# Altium PCB 400432.PcbDoc (part 5 of 6) (continued)
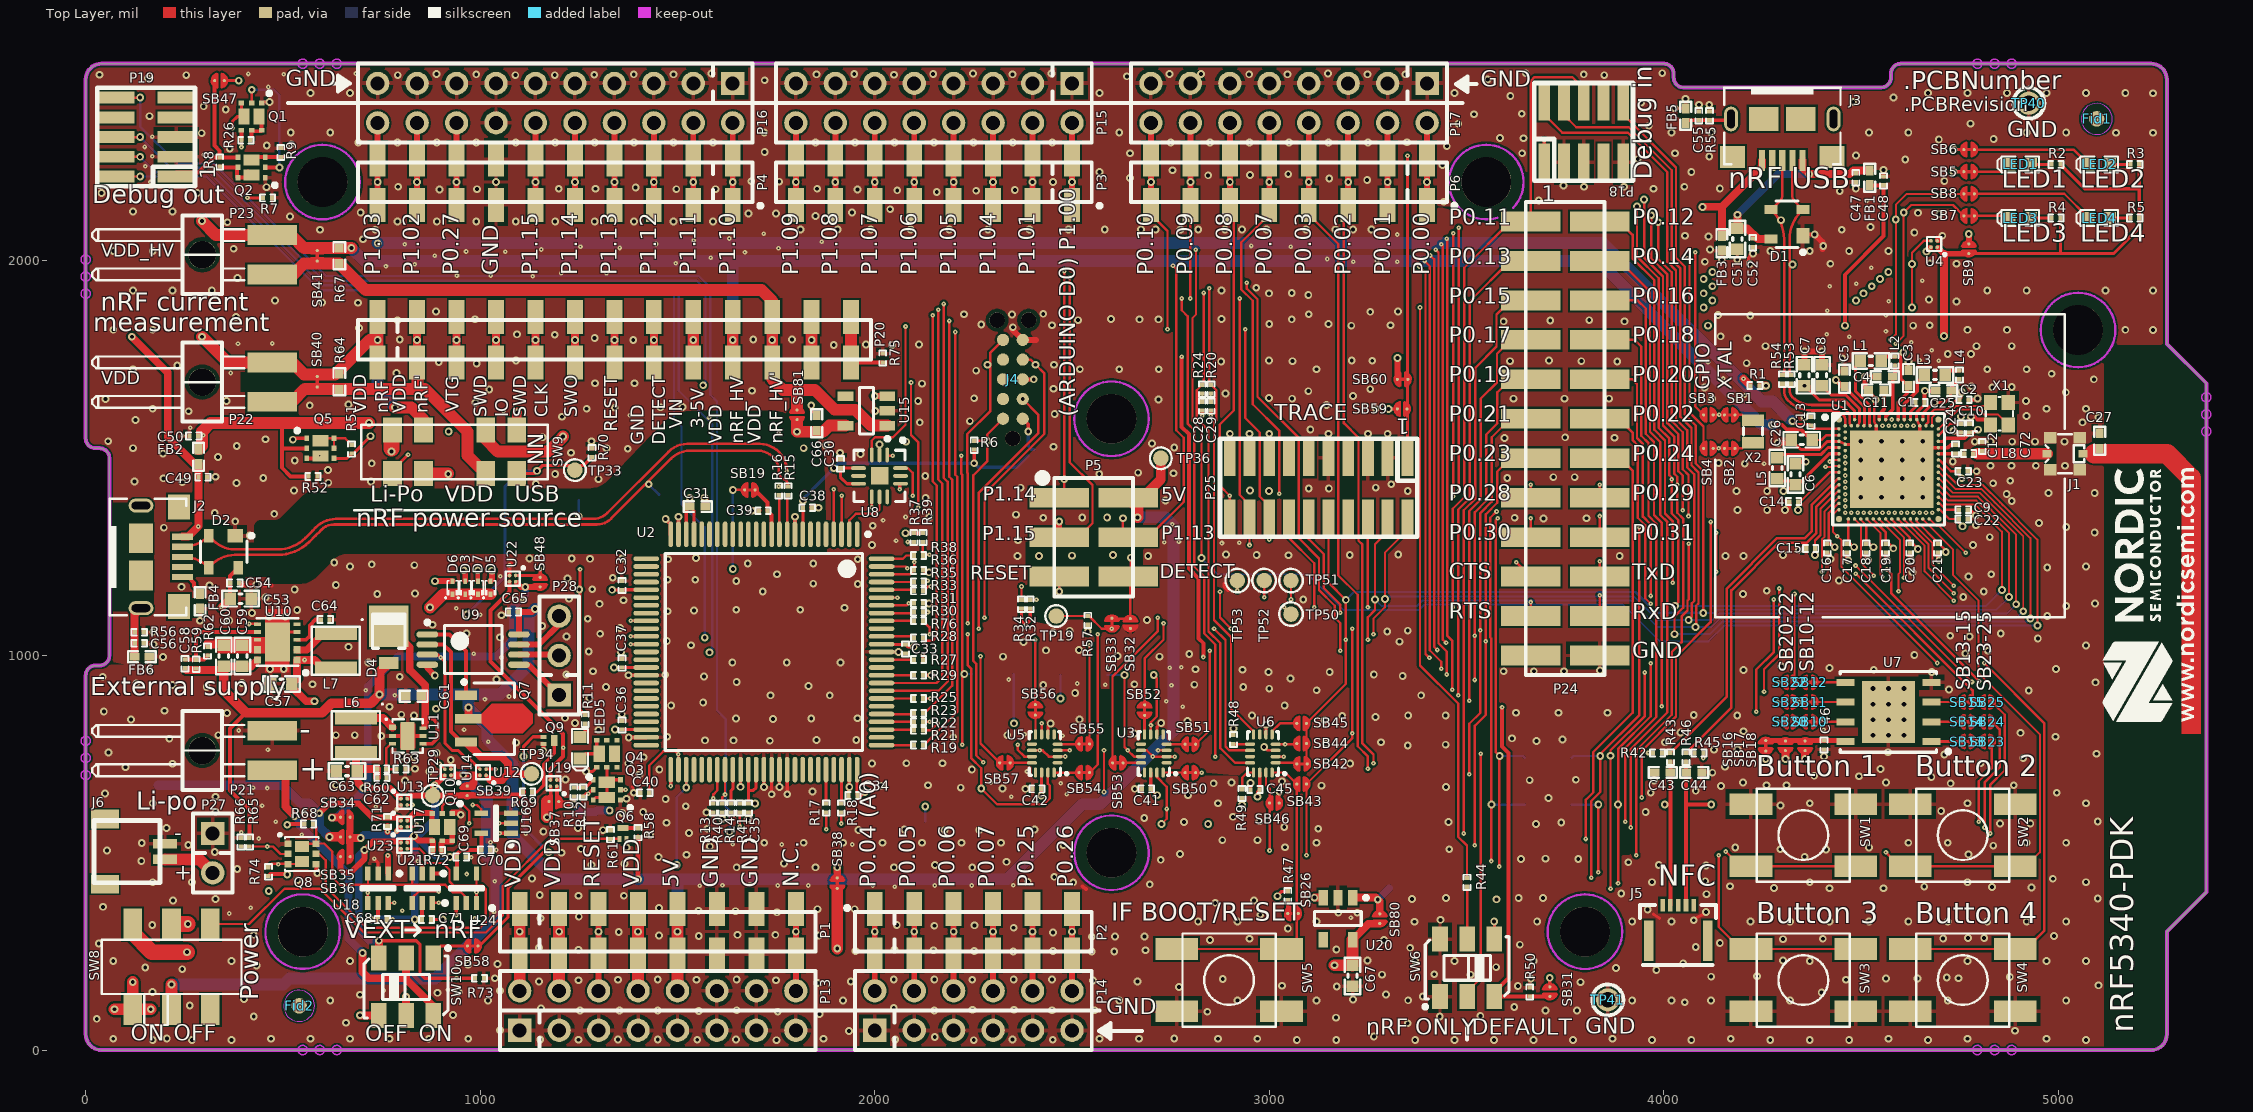
[diagram p0: Top Layer view]
## Nets (pads, with @x,y where several pads share a name; then routed paths per layer and width w, separated by ;. In a path a pad name is that pad's centre, name@x,y a point inside that pad or via, vN(x,y) a via of type N, cw(c..) or ccw(c..) an arc to the next point about the centre after c; other vN are vias at no path point) (continued)
VLI-ION: D6.2 J6.2 P27.2 SW9.5 TP31.1 | length 1801
  Top Layer w15: v1(885.59,1188.41) D6.2@930,1188.41
  Top Layer w30: J6.2@201,483.31 287.69,483.31 P27.2@322,449
  Top Layer w40: v1@775,1525 775,1568.6 SW9.5@777.52,1571.12
  Mid-Layer 2 w30: P27.2@322,449 383,510 383,730 427,774 427,982 472,1027 552,1027 713.41,1188.41 776,1188.41 ; v1(775,1517) 775,1189.41 776,1188.41 ; v1@882,1188.41 776,1188.41
  Bottom Layer w30: TP31.1@208,483.31 287.69,483.31 P27.2@322,449
VREG: C62.2 C63.2 L6.2 R60.2 SB34.2 SB48.2 U13.A1 U22.A2 | length 1288.7
  Top Layer w15: v1(704,664) 772,664 U13.A1@796.5,639.5 ; 1094,1183.55 1093.45,1183.55 1103.3,1173.7 v1(1114,1173.7) 1138.1,1173.7 SB48.2@1151,1173.7
  Top Layer w20: v1(624,589) 638.9,589 638.96,588.94 ; L6.2@685,751.69 685,710.57 C63.2@688.57,707 ; v1(704,664) 688.57,679.43 C63.2@688.57,707 ; C62.2@738.78,691 R60.2@738.78,712 693.57,712 C63.2@688.57,707
  Bottom Layer w20: v1(624,589) 635.57,589 704,657.43 v1(704,664) 715,675 715,921 791,997 1039.6,997 1083,1040.4 1083,1122 1114,1153 v1(1114,1173.7)
VREG_EN: Q8.2 R65.2 R66.1 U16.2 | length 899.1
  Top Layer w6: R66.1@393.87,515.78 R65.2@414.87,515.78 v2(460,515.78) 474.94,515.78 493.72,497 Q8.2@510.6,497 ; v2(1048,575) U16.2@1077.4,575
  Mid-Layer 1 w6: v2(460,515.78) 460,596 512,648 681,648 690.75,638.25 1027.75,638.25 1048,618 v2(1048,575)
VREG_EN_INV: Q8.6 R68.2 U18.3 U21.3 U24.2 | length 625.7
  Top Layer w6: Q8.6@548,515.7 554.89,522.59 Q8.6@585.2,522.59 ; R68.2@576.22,573 576.22,572.41 578.54,570.09 579.13,570.09 584.69,564.54 584.69,523.31 604.69,523.31 625,503 625,438 644,419 715.41,419 ; U18.3@715.41,447.4 715.41,419 ; U21.3@827.41,447.4 827.41,419 ; U24.2@965,386 951,400 930,400 911,419 827.41,419 ; 715.41,419 827.41,419
VSENSE_SW_OUT: SB39.1 SW8.2 TP30.1 U12.A2 U14.A1 | length 1454.2
  Top Layer w9.84: U14.A1@925.87,696.13 940,696.13 ; 983.13,696.13 U12.A2@999.13,696.13
  Top Layer w20: 940,696.13 983.13,696.13 983.13,672.43 980,669.3
  Top Layer w30: SW8.2@217.62,102.73 v1(217.62,165.99)
  Bottom Layer w30: v1(217.62,165.99) 501.05,165.99 516,180.94 885.94,180.94 1041,336 1041,468.87 1016.91,492.97 1016.91,637.09 v1(957,697)
VSRC_NRF: SW9.2 SW10.5 | length 1545.2
  Top Layer w20: SW10.5@812,87.17 v1(812,135)
  Top Layer w25: v1@918.12,1460.88 v1(919,1460)
  Top Layer w30: SW9.2@856.26,1460.88 v1@918.12,1460.88
  Mid-Layer 2 w30: v1(812,135) 873,196 875,196 996,317 996,726 919,803 v1(919,1460)
VSUPPLY: C68.2 C69.2 C70.2 C71.2 Q10.4 R68.1 R69.1 R72.1 R74.1 SB34.1 SB35.1 SB36.1 SB39.2 TP29.1 U13.A2 U14.A2 U16.5 U18.5 U21.5 U23.A2 U24.5 | length 1997
  Top Layer w10: R74.1@463,440.78 463.59,440.78 468.81,446 v1@511,446 ; v1(511,571) 513,573 R68.1@553.78,573 ; v1(722,331) C68.2@740.78,331 740.78,372.38 U18.5@741,372.6 ; v1(834,331) C71.2@852.78,331 852.78,372.38 U21.5@853,372.6 ; v1(923,489) C69.2@940.78,489 ; U24.5@939.41,447.4 940.78,448.77 C69.2@940.78,489 ; U16.5@1002.6,549.41 1002.78,549.23 C70.2@1002.78,507 950.94,507 940.78,496.83 C69.2@940.78,489
  Top Layer w15: U23.A2@817.5,528.5 v1(831.8,542.8) 843.85,530.76 Q10.4@878,530.76 879.78,528.98 R72.1@879.78,506 ; U13.A2@818,640 823.3,645.3 880,645.3 880,666 v1(885,671) U14.A2@907,693 ; TP29.1@880,645 880,645.1 952.8,645.1 981.2,645.1 1099.88,645.1 R69.1@1108.78,654
  Top Layer w18: SB36.1@670.4,490 670.4,503.9 670.4,526.17 ; 670.4,553.82 670.4,576.1 SB34.1@670.4,590
  Top Layer w20: SB35.1@672.89,537.41 676.98,537.41 v1(697,537.41)
  Mid-Layer 2 w10: v1@511,446 v1(511,571) 546,571 554,563 671.41,563 v1(697,537.41)
  Bottom Layer w15: v1@834,542.8 887.8,489 v1(923,489)
  Bottom Layer w20: v1(697,537.41) 704.59,545 v1@831.8,545 ; v1(722,331) v1(834,331) 834,542.8 v1@831.8,545 ; v1(885,671) 885,585 845,545 v1@831.8,545
  other v1: 511,445
VSUPPLY_EN: Q9.3 R69.2 U14.B2 U16.1 | length 589.5
  Top Layer w6: v2(897,725) U14.B2@910.13,711.87
  Top Layer w8: v2(1049.59,549.41) U16.1@1077.4,549.41 ; v2(1131.22,640.22) R69.2@1131.22,654 1144,654 1161,671 1161,725 1187.78,751.78 Q9.3@1187.78,785
  Mid-Layer 1 w8: v2(897,725) 959,663 1044,663 1066.78,640.22 ; v2(1049.59,549.41) 1067,566.82 1067,640 1066.78,640.22 ; v2(1131.22,640.22) 1066.78,640.22
XC1: U1.C31 X1.1 | length 427.6
  Top Layer w4.92: U1.C31@4696.92,1574.36 4745.64,1623.08 ; U1.C31@4696.92,1574.36 U1.C31@4695.97,1574.36 U1.C31@4696.92,1574.36 ; U1.C31@4696.92,1574.36 4745.64,1623.08 ; 4745.64,1623.08 4799.81,1623.08 ; 4745.64,1623.08 4799.81,1623.08 ; 4799.81,1623.08 4812.6,1610.29 ; 4799.81,1623.08 4812.6,1610.29 ; 4812.6,1610.29 4847.65,1610.29 ; 4812.6,1610.29 4847.65,1610.29 ; 4847.65,1610.29 X1.1@4873.13,1584.8 ; 4847.65,1610.29 X1.1@4873.13,1584.8 ; X1.1@4873.13,1584.8 X1.1@4873.13,1584.2 X1.1@4873.13,1584.8
XC2: U1.B30 X1.3 | length 369.5
  Top Layer w4.92: 4680.22,1603.81 U1.B30@4680.22,1582.24 4680.22,1603.81 ; 4680.22,1603.81 4689.65,1613.24 ; 4680.22,1603.81 4689.65,1613.24 ; 4689.65,1613.24 4721.88,1613.24 ; 4689.65,1613.24 4721.88,1613.24 ; 4721.88,1613.24 4741.57,1632.93 ; 4721.88,1613.24 4741.57,1632.93 ; 4741.57,1632.93 X1.3@4819.49,1632.93 ; 4741.57,1632.93 X1.3@4819.49,1632.93 ; X1.3@4819.49,1632.93 X1.3@4827.86,1641.29 X1.3@4819.49,1632.93
pads on no net: Fid1.0 Fid2.0 J2.4 J2.6@140.04,1120.08 J2.6@140.04,1379.92 J3.4 J3.6@4170.43,2359.96 J3.6@4430.27,2359.96 J4.0 J4.7 J4.8 J4.9 J5.0 J5.1 J5.3 J5.5 J6.0 P18.7 P18.8 P19.7 P19.8 P19.9 P21.0 P22.0 P23.0 P24.23 P25.7 P25.8 P25.11 P25.13 Q4.3 Q4.4 Q4.5 SW8.1 U1. U1.A1 U1.A31 U1.AL1 U1.AL31 U1.D2 U1.F2 U1.K2 U1.T2 U2.1 U2.5 U2.6 U2.7 U2.13 U2.14 U2.15 U2.16 U2.17 U2.18 U2.19 U2.20 U2.21 U2.26 U2.27 U2.28 U2.29 U2.31 U2.32 U2.33 U2.35 U2.38 U2.39 U2.42 U2.43 U2.44 U2.45 U2.46 U2.47 U2.50 U2.54 U2.55 U2.56 U2.67 U2.68 U2.69 U2.70 U2.72 U2.77 U2.81 U2.86 U2.91 U3.1 U3.5 U3.9 U3.13 U5.1 U5.5 U5.9 U5.13 U6.7 U6.11 U8.5 U8.9 U8.11 U8.13 U10.5 U15.4 U20.4

## Polygon pours and split planes (outlines as drawn)
VDD on Mid-Layer 2 "Mid_Layer_2-VDD" (solid, remove dead copper, pour order 17): 0,40 0,949.6 cw(c25,949.6) 25,974.6 35,974.6 ccw(c35,999.6) 60,999.6 60,1500.4 ccw(c35,1500.4) 35,1525.4 25,1525.4 cw(c25,1550.4) 0,1550.4 0,2460 cw(c40,2460) 40,2500 3999.95,2500 cw(c3999.95,2475) 4024.95,2475 4024.95,2465 ccw(c4049.95,2465) 4049.95,2440 4550.76,2440 ccw(c4550.76,2465) 4575.76,2465 4575.76,2475 cw(c4600.76,2475) 4600.76,2500 5235,2500 cw(c5235,2460) 5275,2460 5275,1790 5375,1690 5375,400 5275,300 5275,40 cw(c5235,40) 5235,0 3833.05,0 3232.24,0 40,0 cw(c40,40)
VDD_IMCU on Mid-Layer 2 "Mid_Layer_2-VDD_SAM" (solid, pour order 8): 1319,1406 1319,576 2121,576 2121,1406
GND on Mid-Layer 1 "Mid_Layer_1-GND" (solid, remove dead copper, pour order 16): 0,40 0,949.6 cw(c25,949.6) 25,974.6 35,974.6 ccw(c35,999.6) 60,999.6 60,1500.4 ccw(c35,1500.4) 35,1525.4 25,1525.4 cw(c25,1550.4) 0,1550.4 0,2460 cw(c40,2460) 40,2500 3999.95,2500 cw(c3999.95,2475) 4024.95,2475 4024.95,2465 ccw(c4049.95,2465) 4049.95,2440 4550.76,2440 ccw(c4550.76,2465) 4575.76,2465 4575.76,2475 cw(c4600.76,2475) 4600.76,2500 5235,2500 cw(c5235,2460) 5275,2460 5275,1790 5375,1690 5375,400 5275,300 5275,40 cw(c5235,40) 5235,0 3833.05,0 3232.24,0 40,0 cw(c40,40)
GND on Bottom Layer "Bottom_Layer-GND" (solid, remove dead copper, pour order 18): 0,40 0,949.6 cw(c25,949.6) 25,974.6 35,974.6 ccw(c35,999.6) 60,999.6 60,1500.4 ccw(c35,1500.4) 35,1525.4 25,1525.4 cw(c25,1550.4) 0,1550.4 0,2460 cw(c40,2460) 40,2500 3999.95,2500 cw(c3999.95,2475) 4024.95,2475 4024.95,2465 ccw(c4049.95,2465) 4049.95,2440 4550.76,2440 ccw(c4550.76,2465) 4575.76,2465 4575.76,2475 cw(c4600.76,2475) 4600.76,2500 5235,2500 cw(c5235,2460) 5275,2460 5275,1790 5375,1690 5375,400 5275,300 5275,40 cw(c5235,40) 5235,0 3833.05,0 3232.24,0 40,0 cw(c40,40)
GND on Top Layer "Top Layer-GND" (solid, remove dead copper, pour order 19): 0,40 0,949.6 cw(c25,949.6) 25,974.6 35,974.6 ccw(c35,999.6) 60,999.6 60,1500.4 ccw(c35,1500.4) 35,1525.4 25,1525.4 cw(c25,1550.4) 0,1550.4 0,2460 cw(c40,2460) 40,2500 3999.95,2500 cw(c3999.95,2475) 4024.95,2475 4024.95,2465 ccw(c4049.95,2465) 4049.95,2440 4550.76,2440 ccw(c4550.76,2465) 4575.76,2465 4575.76,2475 cw(c4600.76,2475) 4600.76,2500 5235,2500 cw(c5235,2460) 5275,2460 5275,1790 5375,1690 5375,400 5275,300 5275,40 cw(c5235,40) 5235,0 3833.05,0 3232.24,0 40,0 cw(c40,40)

## Keep-outs
Top Layer:
  lines w6: 643.15,315.86 ccw(c550,300) 643.26,315.2 ; 2693.15,515.86 ccw(c2600,500) 2693.26,515.2 ; 3578.36,2109.87 cw(c3550,2200) 3617.82,2134.21
Mid-Layer 1:
  circle w6: c2600,500 r94.49
  circle w6: c3550,2200 r94.49
  circle w6: c550,300 r94.49
Mid-Layer 2:
  circle w6: c3550,2200 r94.49
  circle w6: c550,300 r94.49
  lines w6: 2571.31,409.97 cw(c2600,500) 2571.93,409.78
Bottom Layer:
  circle w6: c2600,500 r94.49
  circle w6: c3550,2200 r94.49
  circle w6: c550,300 r94.49
Keep-Out Layer:
  circle w6: c5050,1825 r94.49
  circle w6: c600,2200 r94.49
  circle w6: c2600,1600 r94.49
  circle w6: c3800,300 r94.49
  circle w3.94: c549.9,0 r11.81
  circle w3.94: c593.2,0 r11.81
  circle w3.94: c636.5,0 r11.81
  circle w3.94: c4881.38,0 r11.81
  circle w3.94: c4838.08,0 r11.81
  circle w3.94: c4794.78,0 r11.81
  circle w3.94: c5375.03,1654.55 r11.81
  circle w3.94: c5375.03,1611.25 r11.81
  circle w3.94: c5375.03,1567.95 r11.81
  circle w3.94: c4794.78,2500 r11.81
  circle w3.94: c4838.08,2500 r11.81
  circle w3.94: c4881.38,2500 r11.81
  circle w3.94: c549.9,2500 r11.81
  circle w3.94: c593.2,2500 r11.81
  circle w3.94: c636.5,2500 r11.81
  circle w3.94: c0,1917 r11.81
  circle w3.94: c0,1960.3 r11.81
  circle w3.94: c0,2003.6 r11.81
  circle w3.94: c0,697.03 r11.81
  circle w3.94: c0,740.33 r11.81
  circle w3.94: c0,783.63 r11.81
  lines w10: 60,999.6 cw(c35,999.6) 35,974.6 25,974.6 ccw(c25,949.6) 0,949.6 0,40 ccw(c40,40) 40,0 3835,0 ; 60,999.65 60,1500.4 ccw(c35,1500.4) 35,1525.4 25,1525.4 cw(c25,1550.4) 0,1550.4 0,2460 cw(c40,2460) 40,2500 3999.95,2500 cw(c3999.95,2475) 4024.95,2475 4024.95,2465 ccw(c4049.95,2465) 4049.95,2440 ; 3833.05,0 5235,0 ccw(c5235,40) 5275,40 5275,300 5375,400 5375,1690 5275,1790 5275,2460 ccw(c5235,2460) 5235,2500 4600.76,2500 ccw(c4600.76,2475) 4575.76,2475 4575.76,2465 cw(c4550.76,2465) 4550.76,2440 4050,2440

## Other copper
Top Layer:
  rectangle net ANT: 5311.79,800.9 5361.79,830.9
  rectangle net GND: 334,1005 479,1047
  rectangle net GND: 455,957 517,1118
  pour cut-out: 2402,1086 2441,1086 cw(c2438.59,1083.59) 2442,1083.59 2442,1079
  pour cut-out: 1156.91,1258.17 1156.91,1424.54 1280.43,1424.54 ccw(c1280.43,1480.11) 1320.44,1441.54 1463.09,1589.54 cw(c1535.07,1520.17) 1535.07,1620.14 1740.64,1620.14 cw(c1740.64,1528.25) 1805.62,1593.22 1847.96,1550.88 cw(c1786.17,1489.07) 1873.55,1490.93 1878.54,1258.17
  pour cut-out: 543.6,1399.64 cw(c602.99,1340.25) 603,1424.25 1171,1424.24 1171,1257.77 652.53,1256.68 ccw(c659.32,1215.2) 626.85,1241.9 582,1197.05 543.6,1197.05
  pour cut-out: 446.18,1344.7 521.55,1344.7 528,1344.7 528,1181.6 497.71,1181.6 cw(c497.71,1218.12) 471.88,1192.3 ccw(c453.09,1173.56) 453.05,1200.1 271.48,1200.1 271.48,1344.81 347.58,1344.81 349.78,1344.4 351.88,1343.7 353.67,1342.68 355.38,1341.3 356.58,1339.5 357.28,1337.8 357.48,1336 357.48,1286.8 426.28,1286.8 426.28,1324.8 cw(c446.18,1324.8)
  pour cut-out: 459.71,1344.7 483.55,1344.7 ccw(c483.55,1357.33) 492.48,1348.4 544.07,1399.99 582.48,1399.99 582.48,1197.4 cw(c543.48,1237.6) 542.58,1181.6 459.71,1181.6
  pour cut-out: 4741,1545 4759,1545 4759,1520 4756,1523 4743,1523
  pour cut-out: 3895,495 3912,495 3919,502
  pour cut-out: 2750,2067 2790,2067 2799,2058
  pour cut-out: 2758,2066
  pour cut-out: 3565,393 3587,393 3587,371 3565,371
  pour cut-out: 101.08,976.89 100.97,977 64,977 64,985
  pour cut-out: 3426.22,2137.89 3427.12,2137 3468,2137 3468,2128 3469,2127
  pour cut-out: 2920,695 2919,696 2834,696 2834,704
  pour cut-out: 443,1717.91 393,1717.91 393,1667.91 443,1667.91
  pour cut-out: 2574,916 2600,916 2600,911 2598,909
  pour cut-out: 2383,1218 2680.02,1218 2679.97,1288 2383,1288
  pour cut-out: 53.98,1110.4 174.17,1110.4 173.94,1389 54.01,1389
  pour cut-out: 1141,1008 1141,1058 1091,1058 1091,1008
  pour cut-out: 872,46 872,96 822,96 822,46
  pour cut-out: 805,225 805,275 755,275 755,225
  pour cut-out: 796,45 796,128.5 746,128.5 746,45
Mid-Layer 1:
  pour cut-out: 3455,1396 cw(c3384.99,1396) 3434.49,1346.49 3428,1340
  pour cut-out: 3105,298.26 3014,298.26 3014,391.74 3105,391.74
  pour cut-out: 3582,971 3582,949 3849,949 3849,972
  pour cut-out: 4959.75,1432.62 4726.77,1432.62 4726.77,1590.1 4959.75,1590.1
  pour cut-out: 3319,1075 3365,1075 3365,1024 3319,1024
  pour cut-out: 4358,1283
  pour cut-out: 2648,673 2648,651 2670,651 2670,673
  pour cut-out: 4086,2010 4086,1982 4085,1981 4083,1981
  pour cut-out: 4546,1812 4569,1812 4569,1810 4568,1809
  pour cut-out: 1637.05,1375.25 1637.05,1466.25 1730.53,1466.25 1730.53,1375.25
  pour cut-out: 2966.52,581.5 2966.52,672.5 3060,672.5 3060,581.5
  pour cut-out: 3035.52,733.5 3035.52,824.5 3129,824.5 3129,733.5
  pour cut-out: 3035.52,680.83 3035.52,771.83 3129,771.83 3129,680.83
  pour cut-out: 3035.52,630.5 3035.52,721.5 3129,721.5 3129,630.5
  pour cut-out: 3035.52,784.5 3035.52,875.5 3129,875.5 3129,784.5
  pour cut-out: 2753.52,659.5 2753.52,750.5 2847,750.5 2847,659.5
  pour cut-out: 2753.52,731.5 2753.52,822.5 2847,822.5 2847,731.5
  pour cut-out: 2637.52,819.5 2637.52,910.5 2731,910.5 2731,819.5
  pour cut-out: 2569.52,684.5 2569.52,775.5 2663,775.5 2663,684.5
  pour cut-out: 2484.52,659.5 2484.52,750.5 2578,750.5 2578,659.5
  pour cut-out: 2484.52,732.5 2484.52,823.5 2578,823.5 2578,732.5
  pour cut-out: 2283.52,684.5 2283.52,775.5 2377,775.5 2377,684.5
  pour cut-out: 2360.52,818.5 2360.52,909.5 2454,909.5 2454,818.5
  pour cut-out: 4392.87,740 4222,740 4222,802 4392.87,802
  pour cut-out: 1114.76,1142 1114.76,1233 1198,1233 1198,1142
  pour cut-out: 3774.87,199.5 3774.87,108.5 3645,108.5 3645,199.5
  pour cut-out: 1759.26,1566 1759.26,1657 1852.74,1657 1852.74,1566
  pour cut-out: 3232.26,287 3232.26,378 3325.74,378 3325.74,287
  pour cut-out: 4399,969 4399,782.93 4283,782.93 4283,969
  pour cut-out: 4849,946.98 4849,714 4729,714 4729,946.98
  pour cut-out: 4048.51,1648.48 4281.49,1648.48 4281.49,1491 4048.51,1491
  pour cut-out: 608.26,444 608.26,634 701.74,634 701.74,444
  pour cut-out: 921.26,610 921.26,701 1014.74,701 1014.74,610
  pour cut-out: 2571,1051 2571,1112 2678,1112 2678,1051
  pour cut-out: 4820.48,2325.5 4820.48,2027 4727,2027 4727,2325.5
  pour cut-out: 293.26,2407 293.26,2498 386.74,2498 386.74,2407
  pour cut-out: 1120,586 1120,677 1249.87,677 1249.87,586
  pour cut-out: 538.52,1964.5 538.52,2055.5 632,2055.5 632,1964.5
  pour cut-out: 539.52,1648.41 539.52,1739.41 633,1739.41 633,1648.41
  pour cut-out: 1859.52,378.5 1859.52,469.5 1953,469.5 1953,378.5
  pour cut-out: 952,216 952,307 1012,307 1012,216
  pour cut-out: 3287.26,1653 3287.26,1744 3380.74,1744 3380.74,1653
  pour cut-out: 3288.26,1576 3288.26,1667 3381.74,1667 3381.74,1576
  pour cut-out: 5175,1434.77 4721.2,1434.77 4721.2,1592.25 5175,1592.25
Mid-Layer 2:
  pour cut-out: 750,1501.18 750,1567 765,1567 771.17,1560.83
  pour cut-out: 4959.75,1432.62 4726.77,1432.62 4726.77,1590.1 4959.75,1590.1
  pour cut-out: 4630,1865 4630,1847 4622,1847 4621,1848
  pour cut-out: 4636,1867
  pour cut-out: 5175,1434.77 4721.2,1434.77 4721.2,1592.25 5175,1592.25
Multi-Layer:
  pour cut-out: 5114.97,-50 5385.28,-50 5383.76,1788 5115.14,1788

## Silkscreen, mask and mechanical layers (free items; w line width, h text height)
Top Overlay:
  drawing of 84 lines, arcs and shapes, not listed
  text "GND" at 507,2429 h70
  text "GND" at 3536,2428 h70
  text ".PCBNumber" at 4607.05,2419.99 h80
  text ".PCBRevision" at 4609.6,2368.69 h60
  text "GND" at 4870,2300 h70
  text "Debug in" at 3985,2206 h80 r90
  text "LED1" at 4856,2170 h80
  text "LED2" at 5056,2170 h80
  text "nRF USB" at 4163,2166 h90
  text "Debug out" at 15.99,2131 h80
  text "P0.11" at 3455,2078 h70
  text "P0.12" at 3920,2078 h70
  text "LED3" at 4856,2034 h80
  text "LED4" at 5056,2034 h80
  text "VDD_HV" at 40,1999 h55
  text "P0.13" at 3455,1978.1 h70
  text "P0.14" at 3920,1978.1 h70
  text "P1.03" at 760,1964 h70 r90
  text "P1.02" at 860,1964 h70 r90
  text "P0.27" at 960,1964 h70 r90
  text "GND" at 1060,1964 h70 r90
  text "P1.15" at 1160,1964 h70 r90
  text "P1.14" at 1260,1964 h70 r90
  text "P1.13" at 1360,1964 h70 r90
  text "P1.12" at 1460,1964 h70 r90
  text "P1.11" at 1560,1964 h70 r90
  text "P1.10" at 1660,1964 h70 r90
  text "P1.09" at 1820,1964 h70 r90
  text "P1.08" at 1920,1964 h70 r90
  text "P1.07" at 2020,1964 h70 r90
  text "P1.06" at 2120,1964 h70 r90
  text "P1.05" at 2220,1964 h70 r90
  text "P1.04" at 2320,1964 h70 r90
  text "P1.01" at 2420,1964 h70 r90
  text "P0.10" at 2720,1964 h70 r90
  text "P0.09" at 2820,1964 h70 r90
  text "P0.08" at 2920,1964 h70 r90
  text "P0.07" at 3020,1964 h70 r90
  text "P0.03" at 3120,1964 h70 r90
  text "P0.02" at 3220,1964 h70 r90
  text "P0.01" at 3320,1964 h70 r90
  text "P0.00" at 3420,1964 h70 r90
  text "P0.15" at 3455,1878.2 h70
  text "P0.16" at 3920,1878.2 h70
  text "nRF current" at 38,1858 h80
  text "measurement" at 19,1807 h80
  text "P0.17" at 3455,1778.3 h70
  text "P0.18" at 3920,1778.3 h70
  text "P0.19" at 3455,1678.4 h70
  text "P0.20" at 3920,1678.4 h70
  text "VDD" at 40,1676 h55
  text "GPIO" at 4128,1674 h60 r90
  text "XTAL" at 4183,1674 h60 r90
  text "VTG" at 957,1616.38 h55 r90
  text "VDD / nRF" at 778,1613.4 h55 r90
  text "VDD / nRF'" at 878,1613.4 h55 r90
  text "(ARDUINO D0) P1.00" at 2522,1605.4 h70 r90
  text "SWD / IO" at 1083,1604.4 h55 r90
  text "SWD / CLK" at 1183,1604.4 h55 r90
  text "SWO" at 1257,1603.93 h55 r90
  text "TRACE" at 3012,1582 h70
  text "P0.21" at 3455,1578.5 h70
  text "P0.22" at 3920,1578.5 h70
  text "VIN / 3-5V" at 1578,1574.52 h55 r90
  text "RESET" at 1359,1567.38 h55 r90
  text "VDD / nRF_HV" at 1678,1536.52 h55 r90
  text "VDD / nRF_HV'" at 1778,1536.52 h55 r90
  text "GND / DETECT" at 1481,1533.97 h55 r90
  text "P0.23" at 3455,1478.6 h70
  text "P0.24" at 3920,1478.6 h70
  text "P1.14" at 2274.3,1381.17 h60
  text "5V" at 2726.3,1379.17 h60
  text "P0.28" at 3455,1378.7 h70
  text "P0.29" at 3920,1378.7 h70
  text "Li-Po   VDD   USB" at 721,1376 h70
  text "nRF power source" at 686,1311 h80
  text "P1.13" at 2726.3,1282.17 h60
  text "P1.15" at 2272.3,1281.17 h60
  text "P0.30" at 3455,1278.8 h70
  text "P0.31" at 3920,1278.8 h70
  text "DETECT" at 2722.84,1184 h60
  text "RESET" at 2242.3,1181.17 h60
  text "CTS" at 3455,1178.9 h70
  text "TxD" at 3920,1178.14 h70
  text "RTS" at 3455,1079 h70
  text "RxD" at 3920,1078.24 h70
  text "GND" at 3920,979 h70
  text "SB10-12" at 4392,959 h60 r90
  text "SB20-22" at 4340,957 h60 r90
  text "SB13-15" at 4788,912 h60 r90
  text "SB23-25" at 4841,909 h60 r90
  text "External supply" at 10.99,884 h80
  text "-" at 540.99,785 h60
  text "+" at 540.99,685 h60
  text "Button 1" at 4234.13,676 h90
  text "Button 2" at 4636.67,676 h90
  text "Li-po" at 128,594 h80
  text "-" at 225,532 h40
  text "+" at 225,432 h40
  text "N.C." at 1821,412 h70 r90
  text "VDD" at 1116.75,411.87 h70 r90
  text "VDD" at 1216.75,411.87 h70 r90
  text "RESET" at 1316.75,411.87 h70 r90
  text "VDD" at 1416.75,411.87 h70 r90
  text "5V" at 1516.75,411.87 h70 r90
  text "GND" at 1616.75,411.87 h70 r90
  text "GND" at 1716.75,411.87 h70 r90
  text "P0.04 (A0)" at 2016.75,411.87 h70 r90
  text "P0.05" at 2116.75,411.87 h70 r90
  text "P0.06" at 2216.75,411.87 h70 r90
  text "P0.07" at 2316.75,411.87 h70 r90
  text "P0.25" at 2416.75,411.87 h70 r90
  text "P0.26" at 2516.75,411.87 h70 r90
  text "NFC" at 3986,399 h90
  text "IF BOOT/RESET" at 2599,313 h80
  text "Button 3" at 4234.13,302.96 h90
  text "Button 4" at 4636.67,302.96 h90
  text "VEXT   nRF" at 656,268 h80
  text "Power" at 453,126 h80 r90
  text "GND" at 2587,77 h70
  text "nRF5340-PDK" at 5209,44 h100 r90
  text "GND" at 3801,27 h70
  text "nRF ONLY" at 3246,25 h70
  text "DEFAULT" at 3513,25 h70
  text "ON" at 114.62,9 h70
  text "OFF" at 222.62,9 h70
  text "OFF" at 709,8 h70
  text "ON" at 844,8 h70
Bottom Overlay:
  drawing of 1229 lines, arcs and shapes, not listed
  text "J-Link" at 4688.6,2472.64 h57 r90
  text "www.segger.com" at 4733.9,2469.44 h66 r90
  text "Pb" at 252.55,2386.74 h120 r90
  text "TM" at 4672,2336.04 h37 r90
  text "S" at 4615.4,2327.64 h53 r90
  text "E" at 4615.4,2292.61 h53 r90
  text "Technology" at 4688.6,2285.54 h57 r90
  text "G" at 4615.4,2261.74 h53 r90
  text "G" at 4615.4,2222.74 h53 r90
  text "E" at 4615.4,2182.44 h53 r90
  text "R" at 4615.4,2149.54 h53 r90
  text "P0.03" at 759.96,2091 h65 r90
  text "P0.02" at 859.96,2091 h65 r90
  text "P0.27" at 959.96,2091 h65 r90
  text "GND" at 1060,2091 h65 r90
  text "P1.15" at 1159.96,2091 h65 r90
  text "P1.14" at 1259.96,2091 h65 r90
  text "P1.13" at 1359.96,2091 h65 r90
  text "P1.12" at 1459.96,2091 h65 r90
  text "P1.11" at 1559.96,2091 h65 r90
  text "P1.10" at 1659.96,2091 h65 r90
  text "P1.09" at 1819.96,2091 h65 r90
  text "P1.08 (D6)" at 1920,2091 h65 r90
  text "P1.07 (D5)" at 2020,2091 h65 r90
  text "P1.06 (D4)" at 2120,2091 h65 r90
  text "P1.05 (D3)" at 2220,2091 h65 r90
  text "P1.04 (D2)" at 2320,2091 h65 r90
  text "P1.01 (D1)" at 2420,2091 h65 r90
  text "P1.00 (ARDUINO D0)" at 2520,2091 h65 r90
  text "P0.10" at 2720,2091 h70 r90
  text "P0.09" at 2820,2091 h70 r90
  text "P0.08" at 2920,2091 h70 r90
  text "P0.07" at 3020,2091 h70 r90
  text "P0.03" at 3120,2091 h70 r90
  text "P0.02" at 3220,2091 h70 r90
  text "P0.01" at 3320,2091 h70 r90
  text "P0.00" at 3419,2091 h70 r90
  text "(SCL)" at 803.96,2050 h65 r90
  text "(SDA)" at 903.96,2050 h65 r90
  text "(AREF)" at 1003.96,2050 h65 r90
  text "(D13)" at 1203.96,2050 h65 r90
  text "(D12)" at 1303.96,2050 h65 r90
  text "(D11)" at 1403.96,2050 h65 r90
  text "(D10)" at 1503.96,2050 h65 r90
  text "(D9)" at 1603.96,2050 h65 r90
  text "(D8)" at 1703.96,2050 h65 r90
  text "(D7)" at 1863.96,2050 h65 r90
  text "GPIO" at 3028,1917.35 h78.5 r90
  text "P0.00" at 3179,1915 h75 r90
  text "P0.01" at 3391,1915 h75 r90
  text "P0.23" at 3550,1915 h75 r90
  text "P0.24" at 3656,1915 h75 r90
  text "P0.08" at 3762,1915 h75 r90
  text "P0.09" at 3868,1915 h75 r90
  text "P0.28" at 3974,1915 h75 r90
  text "P0.29" at 4080,1915 h75 r90
  text "P0.30" at 4186,1915 h75 r90
  text "P0.31" at 4292,1915 h75 r90
  text "P0.18" at 4398,1915 h75 r90
  text "P0.17" at 4504,1915 h75 r90
  text "P0.13" at 4610,1915 h75 r90
  text "P0.14" at 4716,1915 h75 r90
  text "P0.15" at 4822,1915 h75 r90
  text "P0.16" at 4928,1915 h75 r90
  text "Function" at 3028,1702 h78.5 r90
  text "Button 4" at 3868,1691.55 h75 r90
  text "Button 2" at 3656,1690.65 h75 r90
  text "Button 3" at 3762,1690.9 h75 r90
  text "Button 1" at 3550,1686.86 h75 r90
  text "LED 4" at 4292,1650.46 h75 r90
  text "LED 2" at 4080,1649.55 h75 r90
  text "LED 3" at 4186,1649.8 h75 r90
  text "GPIO" at 966,1645.87 h78.5 r90
  text "P0.19" at 1064,1645 h75 r90
  text "P0.20" at 1169.91,1645 h75 r90
  text "P0.21" at 1275.82,1645 h75 r90
  text "P0.22" at 1381.73,1645 h75 r90
  text "P0.11" at 1487.64,1645 h75 r90
  text "P0.02" at 1946,1645 h75 r90
  text "P0.03" at 2126,1645 h75 r90
  text "LED 1" at 3974,1645.77 h75 r90
  text "DIO3" at 4928,1633.15 h75 r90
  text "DIO0" at 4610,1632.93 h75 r90
  text "DIO2" at 4822,1632.9 h75 r90
  text "DIO1" at 4716,1629.11 h75 r90
  text "CLK" at 4504,1626.02 h75 r90
  text "XL2" at 3391,1618.55 h75 r90
  text "XL1" at 3179,1614.77 h75 r90
  text "CS" at 4398,1602.08 h75 r90
  text "SWDCLK" at 1806,1544 h75 r90
  text "SWDIO" at 1700.09,1509 h75 r90
  text "RESET" at 1594.18,1506 h75 r90
  text "Function" at 966,1430.51 h78.5 r90
  text "SB13/23" at 4398,1387 h75 r90
  text "SB11/21" at 4504,1387 h75 r90
  text "SB12/22" at 4610,1387 h75 r90
  text "SB14/24" at 4716,1387 h75 r90
  text "SB15/25" at 4822,1387 h75 r90
  text "SB10/20" at 4928,1387 h75 r90
  text "NFC2" at 2127,1370.72 h75 r90
  text "NFC1" at 1947,1366.94 h75 r90
  text "SB1" at 3126,1365 h75 r90
  text "SB3" at 3232,1365 h75 r90
  text "SB2" at 3338,1365 h75 r90
  text "SB4" at 3444,1365 h75 r90
  text "SB5" at 3974,1365 h75 r90
  text "SB6" at 4080,1365 h75 r90
  text "SB7" at 4186,1365 h75 r90
  text "SB8" at 4292,1365 h75 r90
  text "RTS" at 1064,1353.95 h75 r90
  text "TXD" at 1168.88,1353.95 h75 r90
  text "CTS" at 1275.5,1353.95 h75 r90
  text "RXD" at 1380.38,1353.95 h75 r90
  text "SWO" at 1487,1353.95 h75 r90
  text "Short" at 3028,1344.68 h78.5 r90
  text "HW" at 981.75,1120 h78.5 r90
  text "IF / MCU" at 1634,1105 h70 r90
  text "GPIO" at 3349.72,1099.49 h70 r90
  text "GPIO" at 4725,1099.49 h70 r90
  text "GPIO" at 1294,1095 h70 r90
  text "GPIO" at 2170.73,1038.6 h70 r90
  text "HW" at 3028,1004.68 h78.5 r90
  text "N.C" at 2050,995 h50 r90
  text "SB2x" at 4545,986.49 h50 r90
  text "SB1x" at 4635,986.49 h50 r90
  text "PIN" at 1893.28,951.6 h70 r90
  text "MEM" at 4725,915.49 h70 r90
  text "VDD" at 4008,910.49 h70 r90
  text "PIN" at 3172.22,880.49 h70 r90
  text "PIN" at 4550,880.49 h70 r90
  text "0R" at 2160,875 h50 r90
  text "IF OFF" at 1450,835 h70 r90
  text "NFC" at 2014.28,835.6 h70 r90
  text "P0.03 (A0)" at 2015,630.68 h65 r90
  text "P0.04 (A1)" at 2086,630.68 h65 r90
  text "P0.28 (A2)" at 2215,630.68 h65 r90
  text "P0.29 (A3)" at 2315,630.68 h65 r90
  text "P0.30 (A4)" at 2414.75,630.68 h65 r90
  text "P0.31 (A5)" at 2515,630.68 h65 r90
  text "RESET" at 1319.75,561.87 h65 r90
  text "GND" at 1716.75,515.85 h65 r90
  text "GND" at 1619.75,509.85 h65 r90
  text "N.C." at 1821.75,509.85 h70 r90
  text "VDD" at 1120,506.68 h65 r90
  text "VDD" at 1220,506.68 h65 r90
  text "VDD" at 1420,506.68 h65 r90
  text "5V" at 1521,465.68 h65 r90
Board Outline:
  lines w10: 3232,0 3833.05,0 5235,0 ccw(c5235,40) 5275,40 5275,300 5375,400 5375,1690 5275,1790 5275,2460 ccw(c5235,2460) 5235,2500 4600.76,2500 ccw(c4600.76,2475) 4575.76,2475 4575.76,2465 cw(c4550.76,2465) 4550.76,2440 4049.95,2440 cw(c4049.95,2465) 4024.95,2465 4024.95,2475 ccw(c3999.95,2475) 3999.95,2500 40,2500 ccw(c40,2460) 0,2460 0,1550.4 ccw(c25,1550.4) 25,1525.4 35,1525.4 cw(c35,1500.4) 60,1500.4 60,999.6 cw(c35,999.6) 35,974.6 25,974.6 ccw(c25,949.6) 0,949.6 0,40 ccw(c40,40) 40,0 3232.24,0